# KiCad board KB75.kicad_pcb
title: KB75; date: 2025-06-15; rev: V1
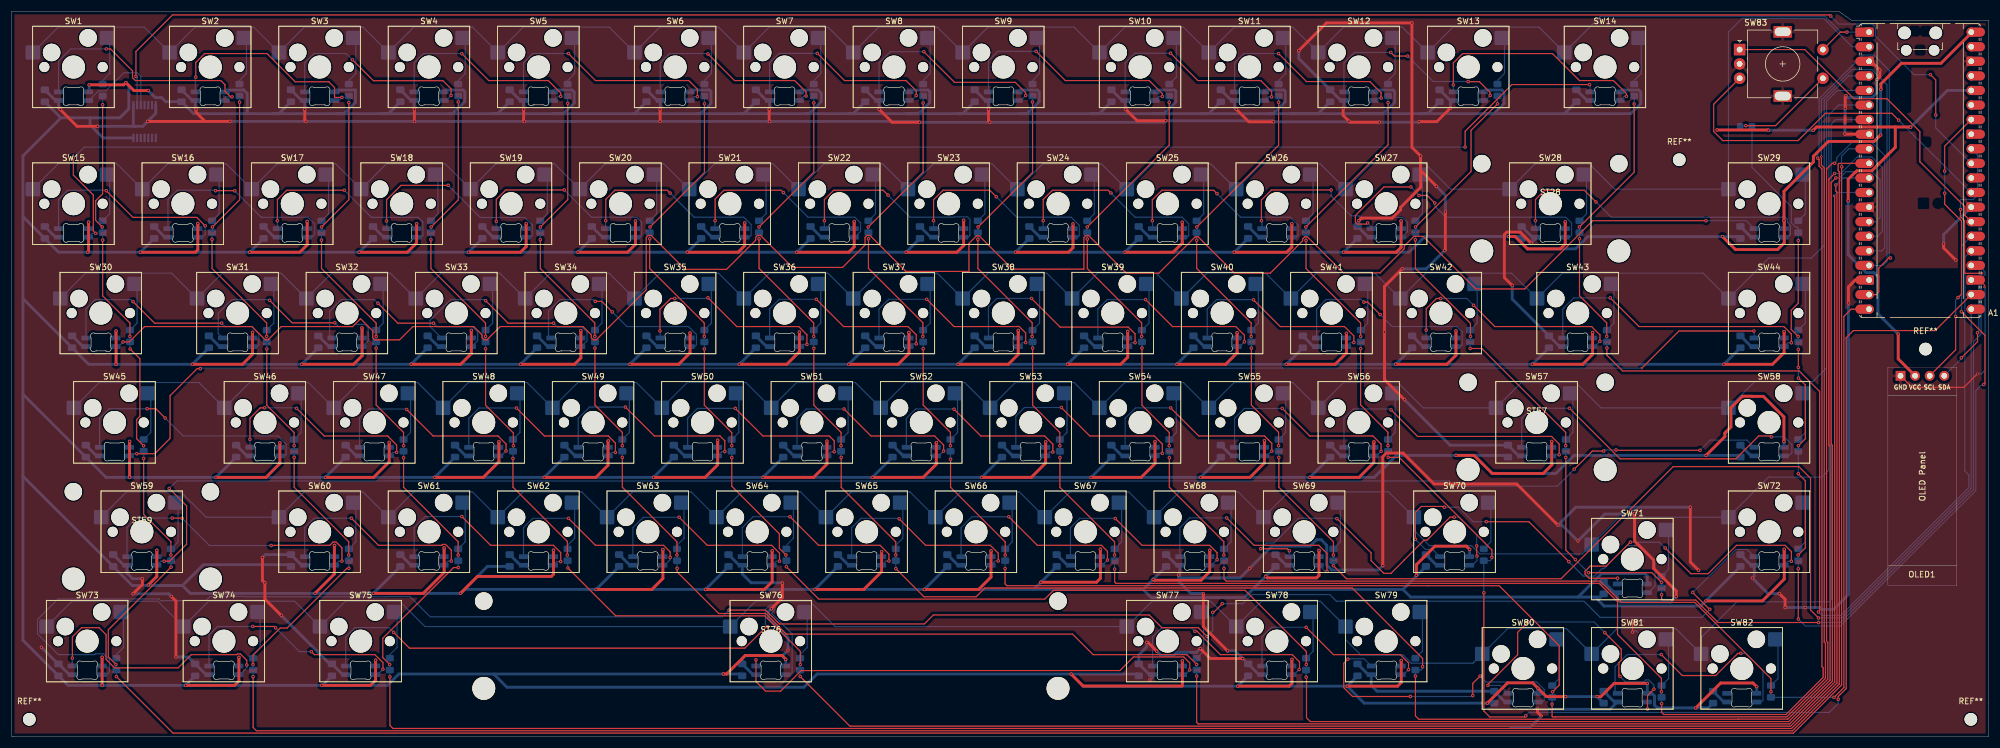
[diagram p0: board, top side]
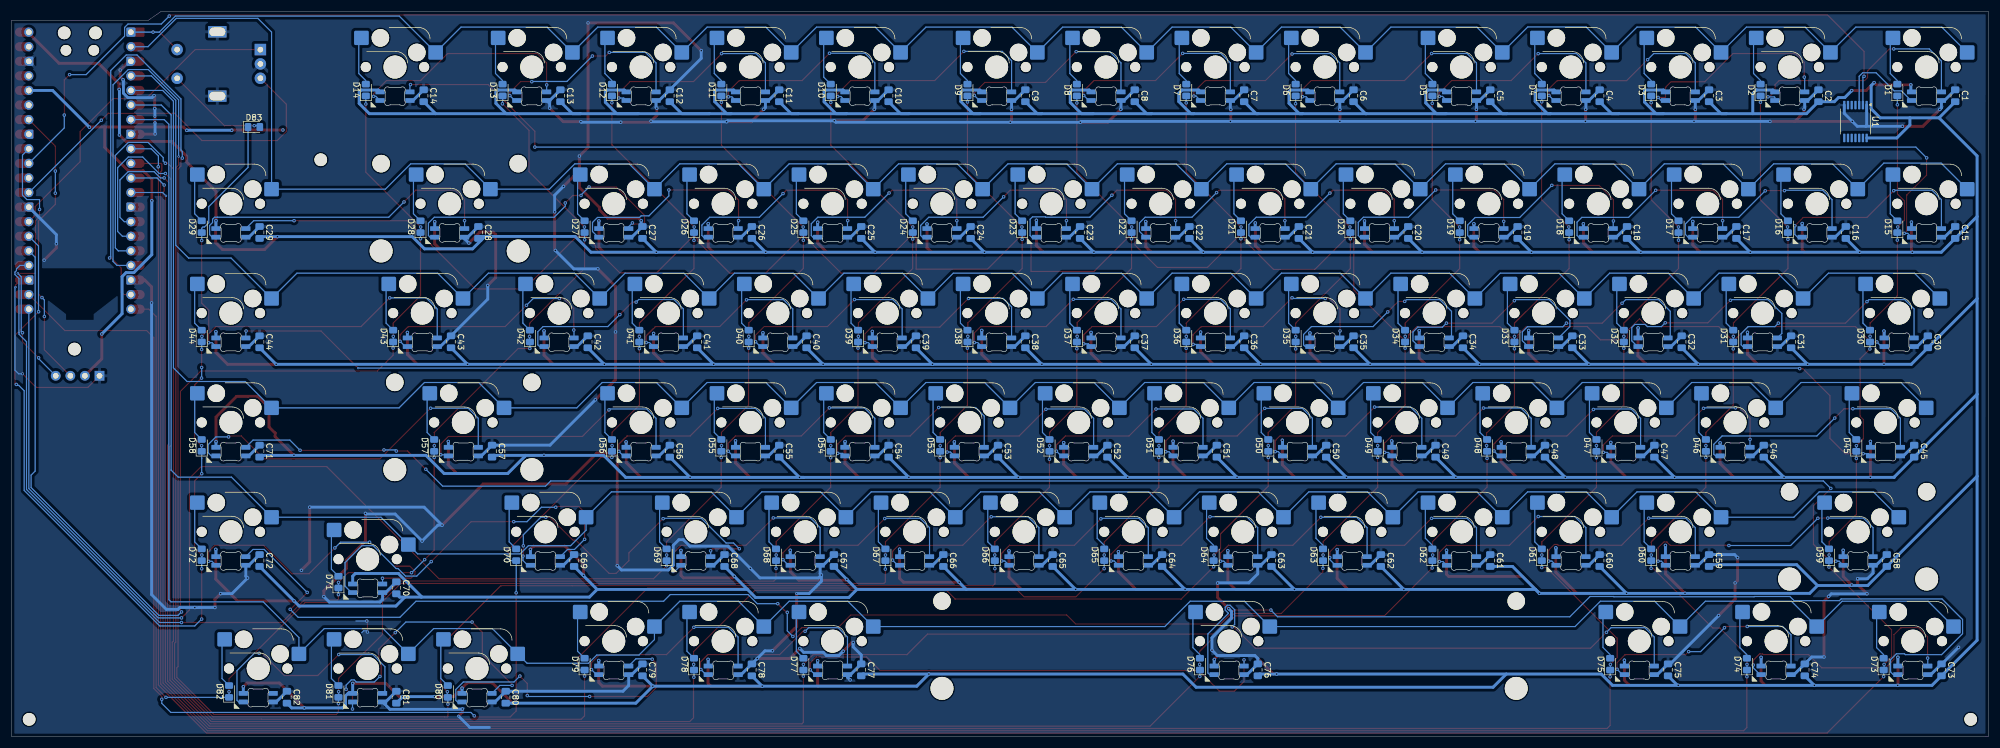
[diagram p1: board, bottom side, seen from below]

Outline 344.28 x 126.31 mm; copper layers: Top, Bottom. Coordinates in mm from the lower left corner of the outline.
Outline path: 0,126.31 0.04,0 1.39,0 344.28,0 344.28,124.77 320.47,124.75 318.24,126.31 0,126.31

## Placement (name value [footprint] x y rotation side)
A1  RaspberryPi_Pico  [RaspberryPi_Pico_Common_Unspecified]  332.38 98.58 0 top
C1  C  [C_0805_2012Metric_Pad1.18x1.45mm_HandSolder]  5.8 111.62 270 bottom
C2  C  [C_0805_2012Metric_Pad1.18x1.45mm_HandSolder]  29.61 111.62 270 bottom
C3  C  [C_0805_2012Metric_Pad1.18x1.45mm_HandSolder]  48.66 111.62 270 bottom
C4  C  [C_0805_2012Metric_Pad1.18x1.45mm_HandSolder]  67.71 111.62 270 bottom
C5  C  [C_0805_2012Metric_Pad1.18x1.45mm_HandSolder]  86.76 111.62 270 bottom
C6  C  [C_0805_2012Metric_Pad1.18x1.45mm_HandSolder]  110.58 111.62 270 bottom
C7  C  [C_0805_2012Metric_Pad1.18x1.45mm_HandSolder]  129.63 111.62 270 bottom
C8  C  [C_0805_2012Metric_Pad1.18x1.45mm_HandSolder]  148.68 111.62 270 bottom
C9  C  [C_0805_2012Metric_Pad1.18x1.45mm_HandSolder]  167.73 111.62 270 bottom
C10  C  [C_0805_2012Metric_Pad1.18x1.45mm_HandSolder]  191.54 111.62 270 bottom
C11  C  [C_0805_2012Metric_Pad1.18x1.45mm_HandSolder]  210.59 111.62 270 bottom
C12  C  [C_0805_2012Metric_Pad1.18x1.45mm_HandSolder]  229.64 111.62 270 bottom
C13  C  [C_0805_2012Metric_Pad1.18x1.45mm_HandSolder]  248.69 111.62 270 bottom
C14  C  [C_0805_2012Metric_Pad1.18x1.45mm_HandSolder]  272.5 111.62 270 bottom
C15  C  [C_0805_2012Metric_Pad1.18x1.45mm_HandSolder]  5.8 87.81 270 bottom
C16  C  [C_0805_2012Metric_Pad1.18x1.45mm_HandSolder]  24.85 87.81 270 bottom
C17  C  [C_0805_2012Metric_Pad1.18x1.45mm_HandSolder]  43.9 87.81 270 bottom
C18  C  [C_0805_2012Metric_Pad1.18x1.45mm_HandSolder]  62.95 87.81 270 bottom
C19  C  [C_0805_2012Metric_Pad1.18x1.45mm_HandSolder]  82 87.81 270 bottom
C20  C  [C_0805_2012Metric_Pad1.18x1.45mm_HandSolder]  101.05 87.81 270 bottom
C21  C  [C_0805_2012Metric_Pad1.18x1.45mm_HandSolder]  120.1 87.81 270 bottom
C22  C  [C_0805_2012Metric_Pad1.18x1.45mm_HandSolder]  139.15 87.81 270 bottom
C23  C  [C_0805_2012Metric_Pad1.18x1.45mm_HandSolder]  158.2 87.81 270 bottom
C24  C  [C_0805_2012Metric_Pad1.18x1.45mm_HandSolder]  177.25 87.81 270 bottom
C25  C  [C_0805_2012Metric_Pad1.18x1.45mm_HandSolder]  196.3 87.81 270 bottom
C26  C  [C_0805_2012Metric_Pad1.18x1.45mm_HandSolder]  215.35 87.81 270 bottom
C27  C  [C_0805_2012Metric_Pad1.18x1.45mm_HandSolder]  234.4 87.81 270 bottom
C28  C  [C_0805_2012Metric_Pad1.18x1.45mm_HandSolder]  262.98 87.81 270 bottom
C29  C  [C_0805_2012Metric_Pad1.18x1.45mm_HandSolder]  301.08 87.81 270 bottom
C30  C  [C_0805_2012Metric_Pad1.18x1.45mm_HandSolder]  10.56 68.76 270 bottom
C31  C  [C_0805_2012Metric_Pad1.18x1.45mm_HandSolder]  34.38 68.76 270 bottom
C32  C  [C_0805_2012Metric_Pad1.18x1.45mm_HandSolder]  53.43 68.76 270 bottom
C33  C  [C_0805_2012Metric_Pad1.18x1.45mm_HandSolder]  72.48 68.76 270 bottom
C34  C  [C_0805_2012Metric_Pad1.18x1.45mm_HandSolder]  91.53 68.76 270 bottom
C35  C  [C_0805_2012Metric_Pad1.18x1.45mm_HandSolder]  110.58 68.76 270 bottom
C36  C  [C_0805_2012Metric_Pad1.18x1.45mm_HandSolder]  129.63 68.76 270 bottom
C37  C  [C_0805_2012Metric_Pad1.18x1.45mm_HandSolder]  148.68 68.76 270 bottom
C38  C  [C_0805_2012Metric_Pad1.18x1.45mm_HandSolder]  167.73 68.76 270 bottom
C39  C  [C_0805_2012Metric_Pad1.18x1.45mm_HandSolder]  186.78 68.76 270 bottom
C40  C  [C_0805_2012Metric_Pad1.18x1.45mm_HandSolder]  205.83 68.76 270 bottom
C41  C  [C_0805_2012Metric_Pad1.18x1.45mm_HandSolder]  224.88 68.76 270 bottom
C42  C  [C_0805_2012Metric_Pad1.18x1.45mm_HandSolder]  243.93 68.76 270 bottom
C43  C  [C_0805_2012Metric_Pad1.18x1.45mm_HandSolder]  267.74 68.76 270 bottom
C44  C  [C_0805_2012Metric_Pad1.18x1.45mm_HandSolder]  301.08 68.76 270 bottom
C45  C  [C_0805_2012Metric_Pad1.18x1.45mm_HandSolder]  12.94 49.71 270 bottom
C46  C  [C_0805_2012Metric_Pad1.18x1.45mm_HandSolder]  39.14 49.71 270 bottom
C47  C  [C_0805_2012Metric_Pad1.18x1.45mm_HandSolder]  58.19 49.71 270 bottom
C48  C  [C_0805_2012Metric_Pad1.18x1.45mm_HandSolder]  77.24 49.71 270 bottom
C49  C  [C_0805_2012Metric_Pad1.18x1.45mm_HandSolder]  96.29 49.71 270 bottom
C50  C  [C_0805_2012Metric_Pad1.18x1.45mm_HandSolder]  115.34 49.71 270 bottom
C51  C  [C_0805_2012Metric_Pad1.18x1.45mm_HandSolder]  134.39 49.71 270 bottom
C52  C  [C_0805_2012Metric_Pad1.18x1.45mm_HandSolder]  153.44 49.71 270 bottom
C53  C  [C_0805_2012Metric_Pad1.18x1.45mm_HandSolder]  172.49 49.71 270 bottom
C54  C  [C_0805_2012Metric_Pad1.18x1.45mm_HandSolder]  191.54 49.71 270 bottom
C55  C  [C_0805_2012Metric_Pad1.18x1.45mm_HandSolder]  210.59 49.71 270 bottom
C56  C  [C_0805_2012Metric_Pad1.18x1.45mm_HandSolder]  229.64 49.71 270 bottom
C57  C  [C_0805_2012Metric_Pad1.18x1.45mm_HandSolder]  260.59 49.71 270 bottom
C58  C  [C_0805_2012Metric_Pad1.18x1.45mm_HandSolder]  17.71 30.66 270 bottom
C59  C  [C_0805_2012Metric_Pad1.18x1.45mm_HandSolder]  48.66 30.66 270 bottom
C60  C  [C_0805_2012Metric_Pad1.18x1.45mm_HandSolder]  67.71 30.66 270 bottom
C61  C  [C_0805_2012Metric_Pad1.18x1.45mm_HandSolder]  86.76 30.66 270 bottom
C62  C  [C_0805_2012Metric_Pad1.18x1.45mm_HandSolder]  105.81 30.66 270 bottom
C63  C  [C_0805_2012Metric_Pad1.18x1.45mm_HandSolder]  124.86 30.66 270 bottom
C64  C  [C_0805_2012Metric_Pad1.18x1.45mm_HandSolder]  143.91 30.66 270 bottom
C65  C  [C_0805_2012Metric_Pad1.18x1.45mm_HandSolder]  162.96 30.66 270 bottom
C66  C  [C_0805_2012Metric_Pad1.18x1.45mm_HandSolder]  182.01 30.66 270 bottom
C67  C  [C_0805_2012Metric_Pad1.18x1.45mm_HandSolder]  201.06 30.66 270 bottom
C68  C  [C_0805_2012Metric_Pad1.18x1.45mm_HandSolder]  220.11 30.66 270 bottom
C69  C  [C_0805_2012Metric_Pad1.18x1.45mm_HandSolder]  246.31 30.66 270 bottom
C70  C  [C_0805_2012Metric_Pad1.18x1.45mm_HandSolder]  277.26 25.9 270 bottom
C71  C  [C_0805_2012Metric_Pad1.18x1.45mm_HandSolder]  301.08 49.71 270 bottom
C72  C  [C_0805_2012Metric_Pad1.18x1.45mm_HandSolder]  301.08 30.66 270 bottom
C73  C  [C_0805_2012Metric_Pad1.18x1.45mm_HandSolder]  8.18 11.61 270 bottom
C74  C  [C_0805_2012Metric_Pad1.18x1.45mm_HandSolder]  31.99 11.61 270 bottom
C75  C  [C_0805_2012Metric_Pad1.18x1.45mm_HandSolder]  55.81 11.61 270 bottom
C76  C  [C_0805_2012Metric_Pad1.18x1.45mm_HandSolder]  127.24 11.61 270 bottom
C77  C  [C_0805_2012Metric_Pad1.18x1.45mm_HandSolder]  196.3 11.61 270 bottom
C78  C  [C_0805_2012Metric_Pad1.18x1.45mm_HandSolder]  215.35 11.61 270 bottom
C79  C  [C_0805_2012Metric_Pad1.18x1.45mm_HandSolder]  234.4 11.61 270 bottom
C80  C  [C_0805_2012Metric_Pad1.18x1.45mm_HandSolder]  258.21 6.85 270 bottom
C81  C  [C_0805_2012Metric_Pad1.18x1.45mm_HandSolder]  277.26 6.85 270 bottom
C82  C  [C_0805_2012Metric_Pad1.18x1.45mm_HandSolder]  296.31 6.85 270 bottom
D1  D  [D_0805_2012Metric_Pad1.15x1.40mm_HandSolder]  15.88 112.62 90 bottom
D2  D  [D_0805_2012Metric_Pad1.15x1.40mm_HandSolder]  39.69 112.62 90 bottom
D3  D  [D_0805_2012Metric_Pad1.15x1.40mm_HandSolder]  58.74 112.62 90 bottom
D4  D  [D_0805_2012Metric_Pad1.15x1.40mm_HandSolder]  77.79 112.62 90 bottom
D5  D  [D_0805_2012Metric_Pad1.15x1.40mm_HandSolder]  96.84 112.62 90 bottom
D6  D  [D_0805_2012Metric_Pad1.15x1.40mm_HandSolder]  120.66 112.62 90 bottom
D7  D  [D_0805_2012Metric_Pad1.15x1.40mm_HandSolder]  139.71 112.62 90 bottom
D8  D  [D_0805_2012Metric_Pad1.15x1.40mm_HandSolder]  158.76 112.62 90 bottom
D9  D  [D_0805_2012Metric_Pad1.15x1.40mm_HandSolder]  177.81 112.62 90 bottom
D10  D  [D_0805_2012Metric_Pad1.15x1.40mm_HandSolder]  201.62 112.62 90 bottom
D11  D  [D_0805_2012Metric_Pad1.15x1.40mm_HandSolder]  220.67 112.62 90 bottom
D12  D  [D_0805_2012Metric_Pad1.15x1.40mm_HandSolder]  239.72 112.62 90 bottom
D13  D  [D_0805_2012Metric_Pad1.15x1.40mm_HandSolder]  258.77 112.62 90 bottom
D14  D  [D_0805_2012Metric_Pad1.15x1.40mm_HandSolder]  282.58 112.62 90 bottom
D15  D  [D_0805_2012Metric_Pad1.15x1.40mm_HandSolder]  15.88 88.81 90 bottom
D16  D  [D_0805_2012Metric_Pad1.15x1.40mm_HandSolder]  34.93 88.81 90 bottom
D17  D  [D_0805_2012Metric_Pad1.15x1.40mm_HandSolder]  53.98 88.81 90 bottom
D18  D  [D_0805_2012Metric_Pad1.15x1.40mm_HandSolder]  73.03 88.81 90 bottom
D19  D  [D_0805_2012Metric_Pad1.15x1.40mm_HandSolder]  92.08 88.81 90 bottom
D20  D  [D_0805_2012Metric_Pad1.15x1.40mm_HandSolder]  111.13 88.81 90 bottom
D21  D  [D_0805_2012Metric_Pad1.15x1.40mm_HandSolder]  130.18 88.81 90 bottom
D22  D  [D_0805_2012Metric_Pad1.15x1.40mm_HandSolder]  149.23 88.81 90 bottom
D23  D  [D_0805_2012Metric_Pad1.15x1.40mm_HandSolder]  168.28 88.81 90 bottom
D24  D  [D_0805_2012Metric_Pad1.15x1.40mm_HandSolder]  187.33 88.81 90 bottom
D25  D  [D_0805_2012Metric_Pad1.15x1.40mm_HandSolder]  206.38 88.81 90 bottom
D26  D  [D_0805_2012Metric_Pad1.15x1.40mm_HandSolder]  225.43 88.81 90 bottom
D27  D  [D_0805_2012Metric_Pad1.15x1.40mm_HandSolder]  244.48 88.81 90 bottom
D28  D  [D_0805_2012Metric_Pad1.15x1.40mm_HandSolder]  273.06 88.81 90 bottom
D29  D  [D_0805_2012Metric_Pad1.15x1.40mm_HandSolder]  311.16 88.81 90 bottom
D30  D  [D_0805_2012Metric_Pad1.15x1.40mm_HandSolder]  20.64 69.76 90 bottom
D31  D  [D_0805_2012Metric_Pad1.15x1.40mm_HandSolder]  44.46 69.76 90 bottom
D32  D  [D_0805_2012Metric_Pad1.15x1.40mm_HandSolder]  63.51 69.76 90 bottom
D33  D  [D_0805_2012Metric_Pad1.15x1.40mm_HandSolder]  82.56 69.76 90 bottom
D34  D  [D_0805_2012Metric_Pad1.15x1.40mm_HandSolder]  101.61 69.76 90 bottom
D35  D  [D_0805_2012Metric_Pad1.15x1.40mm_HandSolder]  120.66 69.76 90 bottom
D36  D  [D_0805_2012Metric_Pad1.15x1.40mm_HandSolder]  139.71 69.76 90 bottom
D37  D  [D_0805_2012Metric_Pad1.15x1.40mm_HandSolder]  158.76 69.76 90 bottom
D38  D  [D_0805_2012Metric_Pad1.15x1.40mm_HandSolder]  177.81 69.76 90 bottom
D39  D  [D_0805_2012Metric_Pad1.15x1.40mm_HandSolder]  196.86 69.76 90 bottom
D40  D  [D_0805_2012Metric_Pad1.15x1.40mm_HandSolder]  215.91 69.76 90 bottom
D41  D  [D_0805_2012Metric_Pad1.15x1.40mm_HandSolder]  234.96 69.76 90 bottom
D42  D  [D_0805_2012Metric_Pad1.15x1.40mm_HandSolder]  254.01 69.76 90 bottom
D43  D  [D_0805_2012Metric_Pad1.15x1.40mm_HandSolder]  277.82 69.76 90 bottom
D44  D  [D_0805_2012Metric_Pad1.15x1.40mm_HandSolder]  311.16 69.76 90 bottom
D45  D  [D_0805_2012Metric_Pad1.15x1.40mm_HandSolder]  23.02 50.71 90 bottom
D46  D  [D_0805_2012Metric_Pad1.15x1.40mm_HandSolder]  49.22 50.71 90 bottom
D47  D  [D_0805_2012Metric_Pad1.15x1.40mm_HandSolder]  68.27 50.71 90 bottom
D48  D  [D_0805_2012Metric_Pad1.15x1.40mm_HandSolder]  87.32 50.71 90 bottom
D49  D  [D_0805_2012Metric_Pad1.15x1.40mm_HandSolder]  106.37 50.71 90 bottom
D50  D  [D_0805_2012Metric_Pad1.15x1.40mm_HandSolder]  125.42 50.71 90 bottom
D51  D  [D_0805_2012Metric_Pad1.15x1.40mm_HandSolder]  144.47 50.71 90 bottom
D52  D  [D_0805_2012Metric_Pad1.15x1.40mm_HandSolder]  163.52 50.71 90 bottom
D53  D  [D_0805_2012Metric_Pad1.15x1.40mm_HandSolder]  182.57 50.71 90 bottom
D54  D  [D_0805_2012Metric_Pad1.15x1.40mm_HandSolder]  201.62 50.71 90 bottom
D55  D  [D_0805_2012Metric_Pad1.15x1.40mm_HandSolder]  220.67 50.71 90 bottom
D56  D  [D_0805_2012Metric_Pad1.15x1.40mm_HandSolder]  239.72 50.71 90 bottom
D57  D  [D_0805_2012Metric_Pad1.15x1.40mm_HandSolder]  270.67 50.71 90 bottom
D58  D  [D_0805_2012Metric_Pad1.15x1.40mm_HandSolder]  311.16 50.71 90 bottom
D59  D  [D_0805_2012Metric_Pad1.15x1.40mm_HandSolder]  27.79 31.66 90 bottom
D60  D  [D_0805_2012Metric_Pad1.15x1.40mm_HandSolder]  58.74 31.66 90 bottom
D61  D  [D_0805_2012Metric_Pad1.15x1.40mm_HandSolder]  77.79 31.66 90 bottom
D62  D  [D_0805_2012Metric_Pad1.15x1.40mm_HandSolder]  96.84 31.66 90 bottom
D63  D  [D_0805_2012Metric_Pad1.15x1.40mm_HandSolder]  115.89 31.66 90 bottom
D64  D  [D_0805_2012Metric_Pad1.15x1.40mm_HandSolder]  134.94 31.66 90 bottom
D65  D  [D_0805_2012Metric_Pad1.15x1.40mm_HandSolder]  153.99 31.66 90 bottom
D66  D  [D_0805_2012Metric_Pad1.15x1.40mm_HandSolder]  173.04 31.66 90 bottom
D67  D  [D_0805_2012Metric_Pad1.15x1.40mm_HandSolder]  192.09 31.66 90 bottom
D68  D  [D_0805_2012Metric_Pad1.15x1.40mm_HandSolder]  211.14 31.66 90 bottom
D69  D  [D_0805_2012Metric_Pad1.15x1.40mm_HandSolder]  230.19 31.66 90 bottom
D70  D  [D_0805_2012Metric_Pad1.15x1.40mm_HandSolder]  256.39 31.66 90 bottom
D71  D  [D_0805_2012Metric_Pad1.15x1.40mm_HandSolder]  287.34 26.9 90 bottom
D72  D  [D_0805_2012Metric_Pad1.15x1.40mm_HandSolder]  311.16 31.66 90 bottom
D73  D  [D_0805_2012Metric_Pad1.15x1.40mm_HandSolder]  18.26 12.61 90 bottom
D74  D  [D_0805_2012Metric_Pad1.15x1.40mm_HandSolder]  42.07 12.61 90 bottom
D75  D  [D_0805_2012Metric_Pad1.15x1.40mm_HandSolder]  65.89 12.61 90 bottom
D76  D  [D_0805_2012Metric_Pad1.15x1.40mm_HandSolder]  137.32 12.61 90 bottom
D77  D  [D_0805_2012Metric_Pad1.15x1.40mm_HandSolder]  206.38 12.61 90 bottom
D78  D  [D_0805_2012Metric_Pad1.15x1.40mm_HandSolder]  225.43 12.61 90 bottom
D79  D  [D_0805_2012Metric_Pad1.15x1.40mm_HandSolder]  244.48 12.61 90 bottom
D80  D  [D_0805_2012Metric_Pad1.15x1.40mm_HandSolder]  268.29 7.85 90 bottom
D81  D  [D_0805_2012Metric_Pad1.15x1.40mm_HandSolder]  287.34 7.85 90 bottom
D82  D  [D_0805_2012Metric_Pad1.15x1.40mm_HandSolder]  306.39 7.85 90 bottom
D83  D  [D_0805_2012Metric_Pad1.15x1.40mm_HandSolder]  302.06 106.17 180 bottom
LED1  ~  [MX_SK6812MINI-E]  10.8 116.62 0 top
LED2  ~  [MX_SK6812MINI-E]  34.61 116.62 0 top
LED3  ~  [MX_SK6812MINI-E]  53.66 116.62 0 top
LED4  ~  [MX_SK6812MINI-E]  72.71 116.62 0 top
LED5  ~  [MX_SK6812MINI-E]  91.76 116.62 0 top
LED6  ~  [MX_SK6812MINI-E]  115.58 116.62 0 top
LED7  ~  [MX_SK6812MINI-E]  134.63 116.62 0 top
LED8  ~  [MX_SK6812MINI-E]  153.68 116.62 0 top
LED9  ~  [MX_SK6812MINI-E]  172.73 116.62 0 top
LED10  ~  [MX_SK6812MINI-E]  196.54 116.62 0 top
LED11  ~  [MX_SK6812MINI-E]  215.59 116.62 0 top
LED12  ~  [MX_SK6812MINI-E]  234.64 116.62 0 top
LED13  ~  [MX_SK6812MINI-E]  253.69 116.62 0 top
LED14  ~  [MX_SK6812MINI-E]  277.5 116.62 0 top
LED15  ~  [MX_SK6812MINI-E]  10.8 92.81 0 top
LED16  ~  [MX_SK6812MINI-E]  29.85 92.81 0 top
LED17  ~  [MX_SK6812MINI-E]  48.9 92.81 0 top
LED18  ~  [MX_SK6812MINI-E]  67.95 92.81 0 top
LED19  ~  [MX_SK6812MINI-E]  87 92.81 0 top
LED20  ~  [MX_SK6812MINI-E]  106.05 92.81 0 top
LED21  ~  [MX_SK6812MINI-E]  125.1 92.81 0 top
LED22  ~  [MX_SK6812MINI-E]  144.15 92.81 0 top
LED23  ~  [MX_SK6812MINI-E]  163.2 92.81 0 top
LED24  ~  [MX_SK6812MINI-E]  182.25 92.81 0 top
LED25  ~  [MX_SK6812MINI-E]  201.3 92.81 0 top
LED26  ~  [MX_SK6812MINI-E]  220.35 92.81 0 top
LED27  ~  [MX_SK6812MINI-E]  239.4 92.81 0 top
LED28  ~  [MX_SK6812MINI-E]  267.98 92.81 0 top
LED29  ~  [MX_SK6812MINI-E]  306.08 92.81 0 top
LED30  ~  [MX_SK6812MINI-E]  15.56 73.76 0 top
LED31  ~  [MX_SK6812MINI-E]  39.38 73.76 0 top
LED32  ~  [MX_SK6812MINI-E]  58.43 73.76 0 top
LED33  ~  [MX_SK6812MINI-E]  77.48 73.76 0 top
LED34  ~  [MX_SK6812MINI-E]  96.53 73.76 0 top
LED35  ~  [MX_SK6812MINI-E]  115.58 73.76 0 top
LED36  ~  [MX_SK6812MINI-E]  134.63 73.76 0 top
LED37  ~  [MX_SK6812MINI-E]  153.68 73.76 0 top
LED38  ~  [MX_SK6812MINI-E]  172.73 73.76 0 top
LED39  ~  [MX_SK6812MINI-E]  191.78 73.76 0 top
LED40  ~  [MX_SK6812MINI-E]  210.83 73.76 0 top
LED41  ~  [MX_SK6812MINI-E]  229.88 73.76 0 top
LED42  ~  [MX_SK6812MINI-E]  248.93 73.76 0 top
LED43  ~  [MX_SK6812MINI-E]  272.74 73.76 0 top
LED44  ~  [MX_SK6812MINI-E]  306.08 73.76 0 top
LED45  ~  [MX_SK6812MINI-E]  17.94 54.71 0 top
LED46  ~  [MX_SK6812MINI-E]  44.14 54.71 0 top
LED47  ~  [MX_SK6812MINI-E]  63.19 54.71 0 top
LED48  ~  [MX_SK6812MINI-E]  82.24 54.71 0 top
LED49  ~  [MX_SK6812MINI-E]  101.29 54.71 0 top
LED50  ~  [MX_SK6812MINI-E]  120.34 54.71 0 top
LED51  ~  [MX_SK6812MINI-E]  139.39 54.71 0 top
LED52  ~  [MX_SK6812MINI-E]  158.44 54.71 0 top
LED53  ~  [MX_SK6812MINI-E]  177.49 54.71 0 top
LED54  ~  [MX_SK6812MINI-E]  196.54 54.71 0 top
LED55  ~  [MX_SK6812MINI-E]  215.59 54.71 0 top
LED56  ~  [MX_SK6812MINI-E]  234.64 54.71 0 top
LED57  ~  [MX_SK6812MINI-E]  265.59 54.71 0 top
LED58  ~  [MX_SK6812MINI-E]  306.08 54.71 0 top
LED59  ~  [MX_SK6812MINI-E]  22.71 35.66 0 top
LED60  ~  [MX_SK6812MINI-E]  53.66 35.66 0 top
LED61  ~  [MX_SK6812MINI-E]  72.71 35.66 0 top
LED62  ~  [MX_SK6812MINI-E]  91.76 35.66 0 top
LED63  ~  [MX_SK6812MINI-E]  110.81 35.66 0 top
LED64  ~  [MX_SK6812MINI-E]  129.86 35.66 0 top
LED65  ~  [MX_SK6812MINI-E]  148.91 35.66 0 top
LED66  ~  [MX_SK6812MINI-E]  167.96 35.66 0 top
LED67  ~  [MX_SK6812MINI-E]  187.01 35.66 0 top
LED68  ~  [MX_SK6812MINI-E]  206.06 35.66 0 top
LED69  ~  [MX_SK6812MINI-E]  225.11 35.66 0 top
LED70  ~  [MX_SK6812MINI-E]  251.31 35.66 0 top
LED71  ~  [MX_SK6812MINI-E]  282.26 30.9 0 top
LED72  ~  [MX_SK6812MINI-E]  306.08 35.66 0 top
LED73  ~  [MX_SK6812MINI-E]  13.18 16.61 0 top
LED74  ~  [MX_SK6812MINI-E]  36.99 16.61 0 top
LED75  ~  [MX_SK6812MINI-E]  60.81 16.61 0 top
LED76  ~  [MX_SK6812MINI-E]  132.24 16.61 0 top
LED77  ~  [MX_SK6812MINI-E]  201.3 16.61 0 top
LED78  ~  [MX_SK6812MINI-E]  220.35 16.61 0 top
LED79  ~  [MX_SK6812MINI-E]  239.4 16.61 0 top
LED80  ~  [MX_SK6812MINI-E]  263.21 11.85 0 top
LED81  ~  [MX_SK6812MINI-E]  282.26 11.85 0 top
LED82  ~  [MX_SK6812MINI-E]  301.31 11.85 0 top
OLED1  ~  [SSD1306-0.91-OLED-4pin-128x32]  326.77 26.34 90 top
REF**  -  [MountingHole_2.2mm_M2]  290.43 100.47 0 top
REF**#2  -  [MountingHole_2.2mm_M2]  341.2 2.99 0 top
REF**#3  -  [MountingHole_2.2mm_M2]  3.11 2.99 0 top
REF**#4  -  [MountingHole_2.2mm_M2]  333.32 67.49 0 top
ST28  MountingHole  [Stabilizer_Cherry_MX_2.00u]  267.98 92.81 0 top
ST57  MountingHole  [Stabilizer_Cherry_MX_2.00u]  265.59 54.71 0 top
ST59  MountingHole  [Stabilizer_Cherry_MX_2.00u]  22.71 35.66 0 top
ST76  MountingHole  [Stabilizer_Cherry_MX_6.25u]  132.24 16.61 0 top
SW1  ESC  [SW_Hotswap_Kailh_MX_1.00u]  10.8 116.62 0 top
SW2  F1  [SW_Hotswap_Kailh_MX_1.00u]  34.61 116.62 0 top
SW3  F2  [SW_Hotswap_Kailh_MX_1.00u]  53.66 116.62 0 top
SW4  F3  [SW_Hotswap_Kailh_MX_1.00u]  72.71 116.62 0 top
SW5  F4  [SW_Hotswap_Kailh_MX_1.00u]  91.76 116.62 0 top
SW6  F5  [SW_Hotswap_Kailh_MX_1.00u]  115.58 116.62 0 top
SW7  F6  [SW_Hotswap_Kailh_MX_1.00u]  134.63 116.62 0 top
SW8  F7  [SW_Hotswap_Kailh_MX_1.00u]  153.68 116.62 0 top
SW9  F8  [SW_Hotswap_Kailh_MX_1.00u]  172.73 116.62 0 top
SW10  F9  [SW_Hotswap_Kailh_MX_1.00u]  196.54 116.62 0 top
SW11  F10  [SW_Hotswap_Kailh_MX_1.00u]  215.59 116.62 0 top
SW12  F11  [SW_Hotswap_Kailh_MX_1.00u]  234.64 116.62 0 top
SW13  F12  [SW_Hotswap_Kailh_MX_1.00u]  253.69 116.62 0 top
SW14  Delete  [SW_Hotswap_Kailh_MX_1.00u]  277.5 116.62 0 top
SW15  `  [SW_Hotswap_Kailh_MX_1.00u]  10.8 92.81 0 top
SW16  1  [SW_Hotswap_Kailh_MX_1.00u]  29.85 92.81 0 top
SW17  2  [SW_Hotswap_Kailh_MX_1.00u]  48.9 92.81 0 top
SW18  3  [SW_Hotswap_Kailh_MX_1.00u]  67.95 92.81 0 top
SW19  4  [SW_Hotswap_Kailh_MX_1.00u]  87 92.81 0 top
SW20  5  [SW_Hotswap_Kailh_MX_1.00u]  106.05 92.81 0 top
SW21  6  [SW_Hotswap_Kailh_MX_1.00u]  125.1 92.81 0 top
SW22  7  [SW_Hotswap_Kailh_MX_1.00u]  144.15 92.81 0 top
SW23  8  [SW_Hotswap_Kailh_MX_1.00u]  163.2 92.81 0 top
SW24  9  [SW_Hotswap_Kailh_MX_1.00u]  182.25 92.81 0 top
SW25  0  [SW_Hotswap_Kailh_MX_1.00u]  201.3 92.81 0 top
SW26  -  [SW_Hotswap_Kailh_MX_1.00u]  220.35 92.81 0 top
SW27  +  [SW_Hotswap_Kailh_MX_1.00u]  239.4 92.81 0 top
SW28  Backspace  [SW_Hotswap_Kailh_MX_1.00u]  267.98 92.81 0 top
SW29  Home  [SW_Hotswap_Kailh_MX_1.00u]  306.08 92.81 0 top
SW30  Tab  [SW_Hotswap_Kailh_MX_1.00u]  15.56 73.76 0 top
SW31  Q  [SW_Hotswap_Kailh_MX_1.00u]  39.38 73.76 0 top
SW32  W  [SW_Hotswap_Kailh_MX_1.00u]  58.43 73.76 0 top
SW33  E  [SW_Hotswap_Kailh_MX_1.00u]  77.48 73.76 0 top
SW34  R  [SW_Hotswap_Kailh_MX_1.00u]  96.53 73.76 0 top
SW35  T  [SW_Hotswap_Kailh_MX_1.00u]  115.58 73.76 0 top
SW36  Y  [SW_Hotswap_Kailh_MX_1.00u]  134.63 73.76 0 top
SW37  U  [SW_Hotswap_Kailh_MX_1.00u]  153.68 73.76 0 top
SW38  I  [SW_Hotswap_Kailh_MX_1.00u]  172.73 73.76 0 top
SW39  O  [SW_Hotswap_Kailh_MX_1.00u]  191.78 73.76 0 top
SW40  P  [SW_Hotswap_Kailh_MX_1.00u]  210.83 73.76 0 top
SW41  [  [SW_Hotswap_Kailh_MX_1.00u]  229.88 73.76 0 top
SW42  ]  [SW_Hotswap_Kailh_MX_1.00u]  248.93 73.76 0 top
SW43  \  [SW_Hotswap_Kailh_MX_1.00u]  272.74 73.76 0 top
SW44  Pg Up  [SW_Hotswap_Kailh_MX_1.00u]  306.08 73.76 0 top
SW45  Caps Lock  [SW_Hotswap_Kailh_MX_1.00u]  17.94 54.71 0 top
SW46  A  [SW_Hotswap_Kailh_MX_1.00u]  44.14 54.71 0 top
SW47  S  [SW_Hotswap_Kailh_MX_1.00u]  63.19 54.71 0 top
SW48  D  [SW_Hotswap_Kailh_MX_1.00u]  82.24 54.71 0 top
SW49  F  [SW_Hotswap_Kailh_MX_1.00u]  101.29 54.71 0 top
SW50  G  [SW_Hotswap_Kailh_MX_1.00u]  120.34 54.71 0 top
SW51  H  [SW_Hotswap_Kailh_MX_1.00u]  139.39 54.71 0 top
SW52  J  [SW_Hotswap_Kailh_MX_1.00u]  158.44 54.71 0 top
SW53  K  [SW_Hotswap_Kailh_MX_1.00u]  177.49 54.71 0 top
SW54  L  [SW_Hotswap_Kailh_MX_1.00u]  196.54 54.71 0 top
SW55  ;  [SW_Hotswap_Kailh_MX_1.00u]  215.59 54.71 0 top
SW56  "  [SW_Hotswap_Kailh_MX_1.00u]  234.64 54.71 0 top
SW57  Enter  [SW_Hotswap_Kailh_MX_1.00u]  265.59 54.71 0 top
SW58  Pg Dn  [SW_Hotswap_Kailh_MX_1.00u]  306.08 54.71 0 top
SW59  L Shift  [SW_Hotswap_Kailh_MX_1.00u]  22.71 35.66 0 top
SW60  Z  [SW_Hotswap_Kailh_MX_1.00u]  53.66 35.66 0 top
SW61  X  [SW_Hotswap_Kailh_MX_1.00u]  72.71 35.66 0 top
SW62  C  [SW_Hotswap_Kailh_MX_1.00u]  91.76 35.66 0 top
SW63  V  [SW_Hotswap_Kailh_MX_1.00u]  110.81 35.66 0 top
SW64  B  [SW_Hotswap_Kailh_MX_1.00u]  129.86 35.66 0 top
SW65  N  [SW_Hotswap_Kailh_MX_1.00u]  148.91 35.66 0 top
SW66  M  [SW_Hotswap_Kailh_MX_1.00u]  167.96 35.66 0 top
SW67  ,  [SW_Hotswap_Kailh_MX_1.00u]  187.01 35.66 0 top
SW68  .  [SW_Hotswap_Kailh_MX_1.00u]  206.06 35.66 0 top
SW69  /  [SW_Hotswap_Kailh_MX_1.00u]  225.11 35.66 0 top
SW70  R Shift  [SW_Hotswap_Kailh_MX_1.00u]  251.31 35.66 0 top
SW71  Up Arrow  [SW_Hotswap_Kailh_MX_1.00u]  282.26 30.9 0 top
SW72  End  [SW_Hotswap_Kailh_MX_1.00u]  306.08 35.66 0 top
SW73  L Ctrl  [SW_Hotswap_Kailh_MX_1.00u]  13.18 16.61 0 top
SW74  Win  [SW_Hotswap_Kailh_MX_1.00u]  36.99 16.61 0 top
SW75  Alt  [SW_Hotswap_Kailh_MX_1.00u]  60.81 16.61 0 top
SW76  Space  [SW_Hotswap_Kailh_MX_1.00u]  132.24 16.61 0 top
SW77  Alt  [SW_Hotswap_Kailh_MX_1.00u]  201.3 16.61 0 top
SW78  Fn  [SW_Hotswap_Kailh_MX_1.00u]  220.35 16.61 0 top
SW79  R Ctrl  [SW_Hotswap_Kailh_MX_1.00u]  239.4 16.61 0 top
SW80  Left Arrow  [SW_Hotswap_Kailh_MX_1.00u]  263.21 11.85 0 top
SW81  Down Arrow  [SW_Hotswap_Kailh_MX_1.00u]  282.26 11.85 0 top
SW82  Right Arrow  [SW_Hotswap_Kailh_MX_1.00u]  301.31 11.85 0 top
SW83  RotaryEncoder_Switch_MP  [RotaryEncoder_Alps_EC11E-Switch_Vertical_H20mm]  300.94 119.67 0 top